# Altium PCB main_io.PcbDoc (part 2 of 3) (continued)
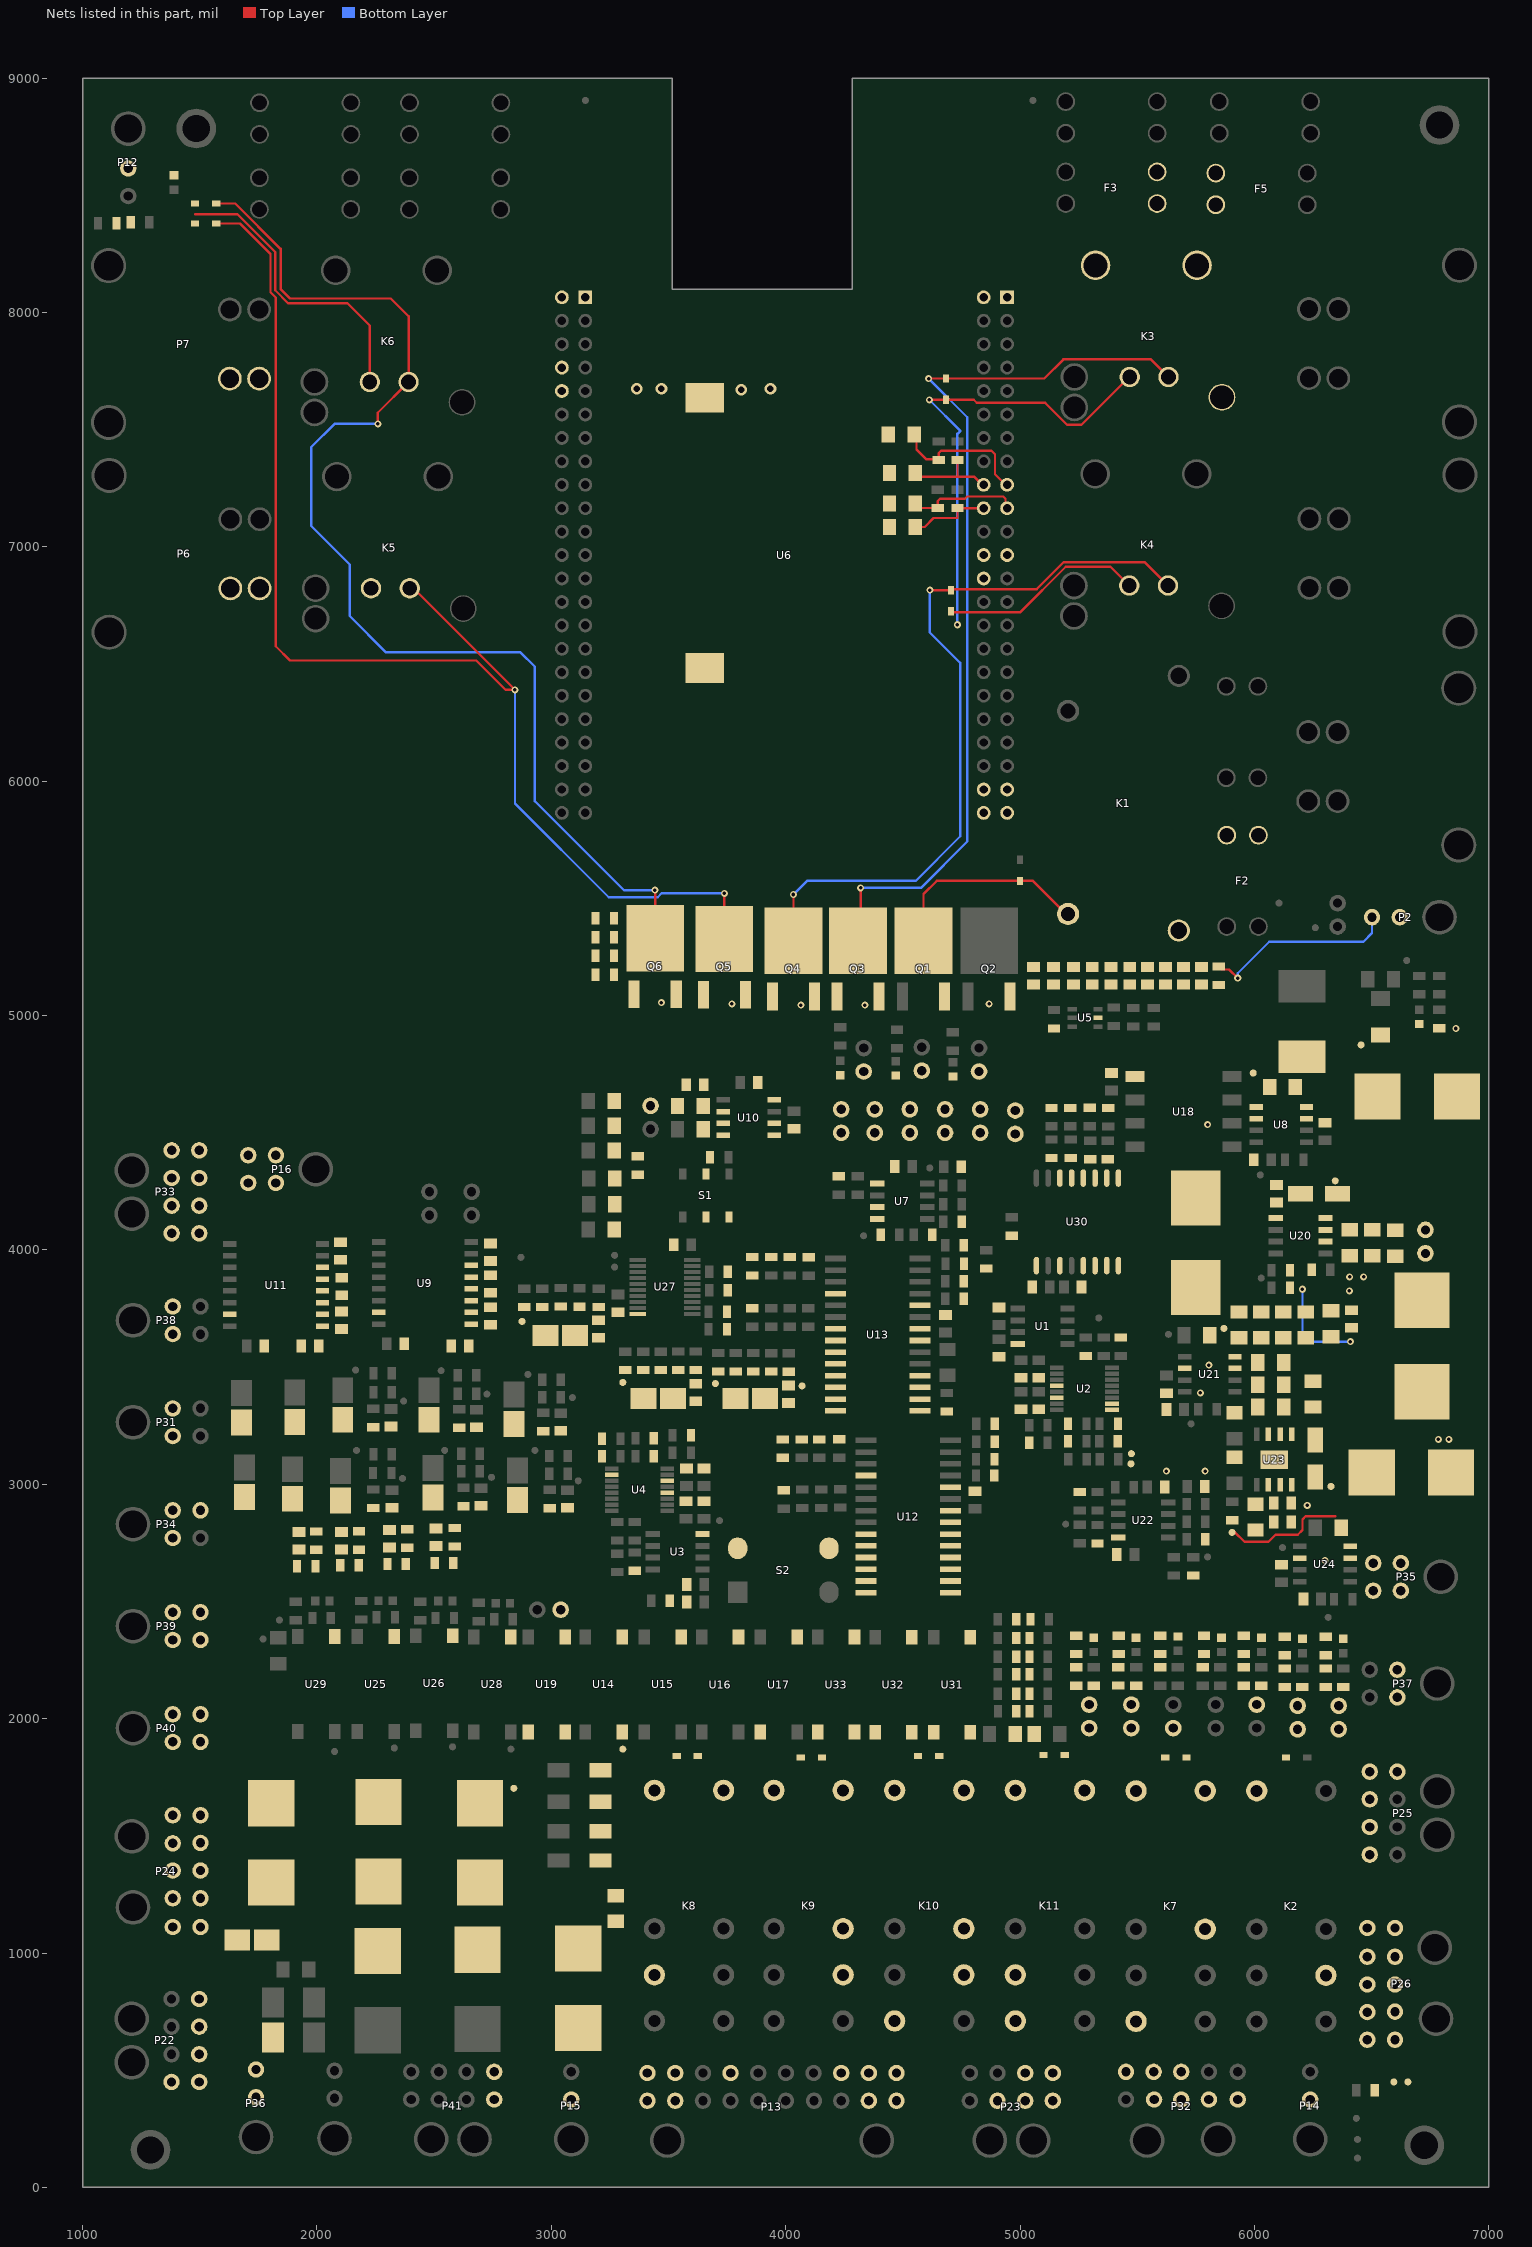
[diagram p4: the nets of this part, all layers, seen from the top]
## Part data (continued)
K2 K7 K8 K9 K10 K11: "RELAY GEN PURPOSE DPDT 8A 24V", Case/Package=DIP, Coil Current=16.7mA, Coil Power=400mW, Coil Resistance=1.44kR, Coil Voltage (DC)=24V, Contact Current Rating=8A, Manufacturer=Omron, Manufacturer Part Number=G2RL-24-DC24, Max Operating Temperature=85°C, Max Voltage Rating (AC)=440V, Max Voltage Rating (DC)=300V, Min Operating Temperature=-40°C, Package Quantity=20, Coil Type=Non-Latching, ComponentLink1Description=http://www.alliedelec.com/images/products/datasheets/bm/OMRON_ELECTRONICS_LLC/70175264.pdf?src-supplier=Allied+Electronics, ComponentLink1URL=http://www.alliedelec.com/images/products/datasheets/bm/OMRON_ELECTRONICS_LLC/70175264.pdf?src-supplier=Allied+Electronics, ComponentLink2Description=http://www.mouser.com/ds/2/307/en-g2rl-472571.pdf?src-supplier=Mouser, ComponentLink2URL=http://www.mouser.com/ds/2/307/en-g2rl-472571.pdf?src-supplier=Mouser, Contact Material=Silver,Cadmium, Depth=12.7mm, Height=15.7mm, Lead Free="Lead Free", Length=29mm, Max Current Rating=8A, Mount="Through Hole", Number of Pins=8, Operate Time=15ms, Packaging=Bulk, Power Consumption=400mW, Power Rating=400mW, Pricing 1="1=4.32, 10=4.053, 25=3.6028, 50=3.4226, 100=3.2425, 250=2.88224, 500=2.7021 (USD)", Radiation Hardening=No, Relay Type="General Purpose", Release Time=5ms, Stock 1=13387, Supplier 1=Digi-Key, Termination="PC Pin", Throw Configuration=DPDT, Voltage Rating (AC)=440V, Voltage Rating (DC)=300V, Weight=12g, Width=12.7mm
K3 K4 K5 K6: "RELAY AUTOMOTIVE SPDT 45A 24V", Coil Current=66.29mA, Coil Power=1.6W, Coil Resistance=362R, Coil Voltage (DC)=24V, Contact Current Rating=45A, Manufacturer="TE Connectivity", Max Operating Temperature=105°C, Min Operating Temperature=-40°C, Package Quantity=525, Supplier Part Number 1=PB1320-ND, Coil Type=Non-Latching, ComponentLink1Description=https://www.verical.com/server-webapp/html/getDatasheet?partID=318318&src-supplier=Verical, ComponentLink1URL=https://www.verical.com/server-webapp/html/getDatasheet?partID=318318&src-supplier=Verical, ComponentLink2Description=https://www.te.com/commerce/DocumentDelivery/DDEController?Action=srchrtrv&DocNm=V23133-X0000-A001&DocType=DS&DocLang=English&src-supplier=Digi-Key, ComponentLink2URL=https://www.te.com/commerce/DocumentDelivery/DDEController?Action=srchrtrv&DocNm=V23133-X0000-A001&DocType=DS&DocLang=English&src-supplier=Digi-Key, Contact Material=Silver, Current Rating=45A, Depth=21.1mm, ELV=Compliant, Height=21.2mm, Lead Free="Lead Free", Length=26.1mm, Manufacturer Part Number=1393277-8, Mount="Through Hole", Number of Contacts=2, Number of Pins=7, Operate Time=5ms, Packaging=Bulk, Pricing 1="1=5.39, 10=5.053, 25=4.4912, 50=4.2666, 100=4.042, 250=3.73328 (USD)", Radiation Hardening=No, Relay Type=Relay, Release Time=3ms, Stock 1=2937, Supplier 1=Digi-Key, Termination=PCB, Throw Configuration=SPDT, Weight=22g, Width=21.1mm
L1: Inductance=100nH, Manufacturer=Sumida, Saturation Current=8.2A, Supplier Part Number 1=308-2523-1-ND, Manufacturer Part Number=0410CDMCCDS-R10MC, Pricing 1="1=0.93000, 10=0.81700, 100=0.58360, 500=0.49024, 1000=0.39687 (USD)", RoHS=No, Stock 1=5994, Supplier 1=Digi-Key
L2: "Fixed Inductors 1uH 20% Low Profile", Case/Package=3232, Current Rating=18.2A, DC Resistance (DCR)=4.63mR, Inductance=1uH, Inductance Tolerance=20%, Manufacturer="Vishay Dale", Max Operating Temperature=125°C, Min Operating Temperature=-55°C, Package Quantity=500, Saturation Current=12A, Self Resonant Frequency=49MHz, Supplier Part Number 1=541-1348-1-ND, Test Frequency=100kHz, ComponentLink1Description=https://datasheet.ciiva.com/6692/ihlp-3232dz-11-6692199.pdf?src-supplier=Digi-Key, ComponentLink1URL=https://datasheet.ciiva.com/6692/ihlp-3232dz-11-6692199.pdf?src-supplier=Digi-Key, ComponentLink2Description=https://datasheet.ciiva.com/6692/ihlp-3232dz-11-6692200.pdf?src-supplier=Digi-Key, ComponentLink2URL=https://datasheet.ciiva.com/6692/ihlp-3232dz-11-6692200.pdf?src-supplier=Digi-Key, ComponentLink3Description=https://datasheet.ciiva.com/6692/ihlp-3232dz-11-6692201.pdf?src-supplier=Digi-Key, ComponentLink3URL=https://datasheet.ciiva.com/6692/ihlp-3232dz-11-6692201.pdf?src-supplier=Digi-Key, ComponentLink4Description=https://datasheet.ciiva.com/17113/70231623-17113262.pdf?src-supplier=Allied+Electronics, ComponentLink4URL=https://datasheet.ciiva.com/17113/70231623-17113262.pdf?src-supplier=Allied+Electronics, Core Material=Metal,Composite,Ferrite, Depth=8.94mm, Height=4mm, Height - Seated (Max)=0.157inch, Lead Free="Lead Free", Length=8.64mm, Manufacturer Part Number=IHLP3232DZER1R0M11, Max DC Current=18.2A, Military Standard=Not, Mount="Surface Mount", Number of Pins=2, Packaging="Tape and Reel", Pricing 1="1=1.61000, 10=1.49500, 100=1.08100 (USD)", Radiation Hardening=No, REACH SVHC=Unknown, RMS Current (Irms)=18.2A, RoHS=Yes, Shielding=Shielded, Stock 1=9463, Supplier 1=Digi-Key, Termination=SMD/SMT, Tolerance=20%, Width=0.322inch
L3: "Inductor Power Shielded Wirewound 33uH 20% 1KHz 28Q-Factor Ferrite 3.5A 57mOhm DCR Automotive T/R", Case/Package=Nonstandard, Current Rating=3.5A, DC Resistance (DCR)=57mR, Inductance=33uH, Inductance Tolerance=20%, Manufacturer=Bourns, Max Operating Temperature=125°C, Min Operating Temperature=-40°C, Package Quantity=400, Ratings=AEC-Q200, Saturation Current=3.3A, Self Resonant Frequency=9.5MHz, Supplier Part Number 1=06X7909, Test Frequency=1kHz, ComponentLink1Description=https://datasheet.ciiva.com/41859/srr1280a-41859670.pdf?src-supplier=Digi-Key, ComponentLink1URL=https://datasheet.ciiva.com/41859/srr1280a-41859670.pdf?src-supplier=Digi-Key, ComponentLink2Description=https://datasheet.ciiva.com/48684/srr1280a-48684991.pdf?src-supplier=Avnet, ComponentLink2URL=https://datasheet.ciiva.com/48684/srr1280a-48684991.pdf?src-supplier=Avnet, Core Material=Ferrite, Depth=12.8mm, Height=7.5mm, Height - Seated (Max)=0.315inch, Length=0.492inch, Manufacturer Part Number=SRR1280A-330M, Max DC Current=3.5A, Military Standard=Not, Mount="Surface Mount", Packaging="Cut Tape", Pricing 1="2400=0.54000, 4000=0.48600, 6000=0.46800, 10000=0.45800 (USD)", REACH SVHC="No SVHC", RMS Current (Irms)=3.5A, RoHS=Yes, Shielding=Shielded, Stock 1=0, Supplier 1=Newark, Tolerance=20%, Width=0.492inch
L4: Case/Package=1260, Current Rating=4.2A, DC Resistance (DCR)=36mR, Frequency=15.5MHz, Inductance=18uH, Inductance Tolerance=20%, Manufacturer=Bourns, Max Operating Temperature=125°C, Min Operating Temperature=-40°C, Package Quantity=600, Resistance=36MR, Saturation Current=3.9A, Test Frequency=100kHz, ComponentLink1Description=https://datasheet.ciiva.com/7849/1430852-7849781.pdf?src-supplier=Element14, ComponentLink1URL=https://datasheet.ciiva.com/7849/1430852-7849781.pdf?src-supplier=Element14, ComponentLink2Description=https://datasheet.ciiva.com/7307/1914016-7307750.pdf?src-supplier=Newark, ComponentLink2URL=https://datasheet.ciiva.com/7307/1914016-7307750.pdf?src-supplier=Newark, ComponentLink3Description=https://datasheet.ciiva.com/6698/srr1260-6698858.pdf?src-supplier=Digi-Key, ComponentLink3URL=https://datasheet.ciiva.com/6698/srr1260-6698858.pdf?src-supplier=Digi-Key, ComponentLink4Description=https://datasheet.ciiva.com/8517/srr1260-8517126.pdf?src-supplier=Avnet, ComponentLink4URL=https://datasheet.ciiva.com/8517/srr1260-8517126.pdf?src-supplier=Avnet, ComponentLink5Description=https://datasheet.ciiva.com/1072/srr1260-1072875.pdf?src-supplier=Digi-Key, ComponentLink5URL=https://datasheet.ciiva.com/1072/srr1260-1072875.pdf?src-supplier=Digi-Key, ComponentLink6Description=https://datasheet.ciiva.com/1072/srr1260-1072876.pdf?src-supplier=Digi-Key, ComponentLink6URL=https://datasheet.ciiva.com/1072/srr1260-1072876.pdf?src-supplier=Digi-Key, ComponentLink7Description=https://datasheet.ciiva.com/17285/srr1260-17285822.pdf?src-supplier=Avnet+Europe, ComponentLink7URL=https://datasheet.ciiva.com/17285/srr1260-17285822.pdf?src-supplier=Avnet+Europe, Composition=Wirewound, Core Material=Ferrite, DC Current=4.2A, Depth=12.8mm, Height=6mm, Height - Seated (Max)=0.256inch, Length=12.5mm, Manufacturer Part Number=SRR1260-180M, Material=Steel, Max DC Current=4.2A, Military Standard=Not, Mount="Surface Mount", Packaging="Tape and Reel", Pricing 1="1=1.25000, 10=1.15900, 100=0.83780 (USD)", Q Factor=28, REACH SVHC="No SVHC", RMS Current (Irms)=4.2A, RoHS=Yes, Self Resonant Frequency=15.5MHz, Shielding=Shielded, Stock 1=6601, Supplier 1=Digi-Key, Termination=SMD/SMT, Tolerance=20%, Width=12.5mm
LED1 LED3 LED4 LED5 LED6 LED7 LED8 LED9 LED10 LED11 LED12 LED13 LED14 LED15 LED16: Color=GREEN, Manufacturer="Lite-On Inc.", Manufacturer P/N=LTST-C190KGKT, Package / Case=0603, Digikey P/N=160-1435-1-ND
LED2: library part "LED RED 0603", "Red 631nm LED Indication - Discrete 2V 0603 (1608 Metric)", Manufacturer="Lite-On Inc.", Manufacturer P/N=LTST-C190KRKT, Package / Case=0603, Color=RED, Digikey P/N=160-1436-1-ND
P1 P8 P9 P10 P11 P17 P18 P19 P20 P21 P27 P28 P29 P30 P43 P44 P45 P46 P47 P48 P49 P50: "Header, 2-Pin", LatestRevisionDate=17-Jul-2002, LatestRevisionNote="Re-released for DXP Platform.", Publisher="Altium Limited"
P2 P12 P14 P15 P36 P42: "CONN HEADER R/A 2POS", Case/Package=SMC, Color=Black, Contact Resistance=10mR, Current Rating=5A, Flammability Rating="UL94 V-0", Insulation Resistance=1GR, Manufacturer=Molex, Max Operating Temperature=105°C, Max Voltage Rating (DC)=250.25kV, Min Operating Temperature=-40°C, Package Quantity=3168, Supplier Part Number 1=WM1813-ND, Voltage Rating=600V, Voltage Rating (DC)=250V, Approvals=UL,CSA,TUV, ComponentLink1Description=https://datasheet.ciiva.com/14155/04402310-14155203.pdf?src-supplier=Distrelec, ComponentLink1URL=https://datasheet.ciiva.com/14155/04402310-14155203.pdf?src-supplier=Distrelec, ComponentLink2Description=https://datasheet.ciiva.com/19454/883270-19454006.pdf?src-supplier=Jameco, ComponentLink2URL=https://datasheet.ciiva.com/19454/883270-19454006.pdf?src-supplier=Jameco, ComponentLink3Description=https://datasheet.ciiva.com/5150/0430450200-pcb-headers-145770-5150407.pdf?src-supplier=Mouser, ComponentLink3URL=https://datasheet.ciiva.com/5150/0430450200-pcb-headers-145770-5150407.pdf?src-supplier=Mouser, ComponentLink4Description=https://datasheet.ciiva.com/11747/0900766b80027348-11747001.pdf?src-supplier=RSComponents, ComponentLink4URL=https://datasheet.ciiva.com/11747/0900766b80027348-11747001.pdf?src-supplier=RSComponents, ComponentLink5Description=https://datasheet.ciiva.com/16656/0430450200-pcb-headers-16656330.pdf?src-supplier=Avnet+Europe, ComponentLink5URL=https://datasheet.ciiva.com/16656/0430450200-pcb-headers-16656330.pdf?src-supplier=Avnet+Europe, ComponentLink6Description=https://datasheet.ciiva.com/10090/0430450200-pcb-headers-10090299.pdf?src-supplier=Avnet, ComponentLink6URL=https://datasheet.ciiva.com/10090/0430450200-pcb-headers-10090299.pdf?src-supplier=Avnet, ComponentLink7Description=https://datasheet.ciiva.com/36854/124280430450200-pcb-headers-36854331.pdf?src-supplier=Onlinecomponents.com, ComponentLink7URL=https://datasheet.ciiva.com/36854/124280430450200-pcb-headers-36854331.pdf?src-supplier=Onlinecomponents.com, ComponentLink8Description=https://datasheet.ciiva.com/1443/1859921-1443437.pdf?src-supplier=Element14, ComponentLink8URL=https://datasheet.ciiva.com/1443/1859921-1443437.pdf?src-supplier=Element14, Contact Gender=Male, Contact Material=Brass,Tin, Contact Plating=Tin, Diameter=3mm, Gender=Male, Glow Wire Compliant=Compliant, Halogen Free="Low Halogen", Housing Color=Black, Housing Material=Thermoplastic, Lead Free="Lead Free", Manufacturer Part Number=43045-0200, Material=Thermoplastic, Mount="Through Hole", Number of Circuits=2, Number of Contacts=2, Number of Positions=2, Number of Rows=2, Orientation="Right Angle", Packaging=Tray, Pitch=3mm, Pricing 1="1=0.97000, 10=0.84900, 100=0.73280, 500=0.59958, 1000=0.53296, 5000=0.46634, 10000=0.44302 (USD)", Radiation Hardening=No, REACH SVHC=Unknown, RoHS=Yes, Row Spacing=3mm, Stock 1=6320, Supplier 1=Digi-Key, Termination="Through Hole"
P3 P4 P5 P6 P7: "Conn Power HDR 2 POS 7.49mm Solder RA Thru-Hole 4 Terminal 1 Port Sabre™ Tray", Color=Black, Contact Resistance=30mR, Current Rating=18A, Manufacturer=Molex, Max Operating Temperature=75°C, Min Operating Temperature=-40°C, Package Quantity=525, Supplier Part Number 1=WM13983-ND, Voltage Rating=600V, ComponentLink1Description=https://www.verical.com/server-webapp/html/getDatasheet?partID=198412&src-supplier=Verical, ComponentLink1URL=https://www.verical.com/server-webapp/html/getDatasheet?partID=198412&src-supplier=Verical, ComponentLink2Description=http://components.arrow.com/part/dataview/2942820S6220968N3303?src-supplier=Arrow, ComponentLink2URL=http://components.arrow.com/part/dataview/2942820S6220968N3303?src-supplier=Arrow, ComponentLink3Description=http://www.molex.com/pdm_docs/ps/PSX-43335-9999.pdf?src-supplier=Digi-Key, ComponentLink3URL=http://www.molex.com/pdm_docs/ps/PSX-43335-9999.pdf?src-supplier=Digi-Key, Contact Material=Brass, Contact Plating=Tin,Copper, Depth=19.79mm, Fastening Type=Ramp, Housing Color=Black, Housing Material=Nylon, Insulation Material=Nylon, Length=21.08mm, Manufacturer Part Number=0431605302, Mount="Through Hole", Number of Contacts=2, Number of Ports=1, Number of Positions=2, Number of Rows=1, Number of Terminals=4, Orientation="Right Angle", Packaging=Tray, Pitch=7.49mm, Stock 1=0, Supplier 1=Digi-Key, Termination=Solder
P13: "HEADER, RIGHT ANGLE, 20WAY", Color=Black, Contact Resistance=10mR, Current Rating=5A, Flammability Rating="UL94 V-0", Insulation Resistance=1GR, Manufacturer=Molex, Max Operating Temperature=105°C, Max Voltage Rating (DC)=250.25kV, Min Operating Temperature=-40°C, Operating Supply Voltage=250V, Package Quantity=648, Supplier Part Number 1=WM4726-ND, Voltage Rating=600V, Approvals=UL,CSA,TUV, ComponentLink1Description=https://datasheet.ciiva.com/5158/0430452000-pcb-headers-143029-5158912.pdf?src-supplier=Mouser, ComponentLink1URL=https://datasheet.ciiva.com/5158/0430452000-pcb-headers-143029-5158912.pdf?src-supplier=Mouser, ComponentLink2Description=https://datasheet.ciiva.com/30232/144790430452000-pcb-headers-30232337.pdf?src-supplier=Onlinecomponents.com, ComponentLink2URL=https://datasheet.ciiva.com/30232/144790430452000-pcb-headers-30232337.pdf?src-supplier=Onlinecomponents.com, ComponentLink3Description=https://datasheet.ciiva.com/11747/0900766b80d6135b-11747452.pdf?src-supplier=RSComponents, ComponentLink3URL=https://datasheet.ciiva.com/11747/0900766b80d6135b-11747452.pdf?src-supplier=RSComponents, ComponentLink4Description=https://datasheet.ciiva.com/19461/800067-19461036.pdf?src-supplier=Jameco, ComponentLink4URL=https://datasheet.ciiva.com/19461/800067-19461036.pdf?src-supplier=Jameco, ComponentLink5Description=https://datasheet.ciiva.com/1443/1786399-1443623.pdf?src-supplier=Element14, ComponentLink5URL=https://datasheet.ciiva.com/1443/1786399-1443623.pdf?src-supplier=Element14, ComponentLink6Description=https://datasheet.ciiva.com/10076/0430452000-pcb-headers-10076859.pdf?src-supplier=Avnet, ComponentLink6URL=https://datasheet.ciiva.com/10076/0430452000-pcb-headers-10076859.pdf?src-supplier=Avnet, ComponentLink7Description=https://datasheet.ciiva.com/14155/04402310-14155212.pdf?src-supplier=Distrelec, ComponentLink7URL=https://datasheet.ciiva.com/14155/04402310-14155212.pdf?src-supplier=Distrelec, Contact Material=Brass,Tin, Contact Plating=Tin, Depth=12.2mm, Gender=Male, Glow Wire Compliant=Compliant, Halogen Free="Low Halogen", Height=8.77mm, Housing Color=Black, Housing Material=Thermoplastic, Lead Free="Lead Free", Lead Pitch=3mm, Length=34.15mm, Manufacturer Part Number=43045-2000, Material=Polyester, Max Current Rating=5A, Mount="Through Hole", Number of Circuits=20, Number of Contacts=20, Number of Poles=20, Number of Positions=20, Number of Rows=2, Orientation="Right Angle", Packaging=Tray, Pitch=3mm, Pricing 1="1=5.17000, 10=4.95900, 100=4.13220, 500=3.51238, 1000=2.99585 (USD)", Radiation Hardening=No, RoHS=Yes, Row Spacing=3mm, Stock 1=1197, Supplier 1=Digi-Key, Termination=Solder, Voltage Rating (AC)=250V, Voltage Rating (DC)=250V, Working Voltage=250V
P16 P31 P34 P35 P37 P38 P39 P40: "Male connector dual row 90° 3 mm Pole no. 2x2 Micro-Fit, 43045-0400, Molex", Color=Black, Contact Resistance=10mR, Flammability Rating="UL94 V-0", Manufacturer=Molex, Max Operating Temperature=105°C, Max Voltage Rating (AC)=250V, Min Operating Temperature=-40°C, Supplier Part Number 1=WM1814-ND, ComponentLink1Description=https://datasheet.ciiva.com/712/430450200-sd-712017.pdf?src-supplier=Digi-Key, ComponentLink1URL=https://datasheet.ciiva.com/712/430450200-sd-712017.pdf?src-supplier=Digi-Key, ComponentLink2Description=https://datasheet.ciiva.com/20209/22-3744e-20209522.pdf?src-supplier=Rapid+Electronics, ComponentLink2URL=https://datasheet.ciiva.com/20209/22-3744e-20209522.pdf?src-supplier=Rapid+Electronics, ComponentLink3Description=https://datasheet.ciiva.com/11746/0900766b80027348-11746988.pdf?src-supplier=RSComponents, ComponentLink3URL=https://datasheet.ciiva.com/11746/0900766b80027348-11746988.pdf?src-supplier=RSComponents, ComponentLink4Description=https://datasheet.ciiva.com/30193/145420430450400-pcb-headers-30193310.pdf?src-supplier=Onlinecomponents.com, ComponentLink4URL=https://datasheet.ciiva.com/30193/145420430450400-pcb-headers-30193310.pdf?src-supplier=Onlinecomponents.com, Connector Type="Male Pin", Contact Material=Brass, Contact Plating=Tin, Depth=12.2mm, Fastening Type=Ramp, Housing Color=Black, Housing Material=Polymer, Length=10.15mm, Manufacturer Part Number=43045-0400, Mount="Through Hole", Number of Contacts=4, Number of Positions=4, Number of Rows=2, Orientation="Right Angle", Packaging=Tray, Pitch=3mm, Pricing 1="1=1.33000, 10=1.16700, 100=1.00670, 500=0.82368, 1000=0.73216, 5000=0.64064, 10000=0.60861 (USD)", RoHS=Yes, Row Spacing=0.118inch, Stock 1=5904, Supplier 1=Digi-Key, Termination=Solder
P22 P23 P25 P33 P41: "CONN HEADER R/A 8POS 3MM", Case/Package=SMC, Color=Black, Contact Resistance=10mR, Current Rating=5A, Flammability Rating="UL94 V-0", Insulation Resistance=1GR, Manufacturer=Molex, Max Operating Temperature=105°C, Max Voltage Rating (DC)=250.25kV, Min Operating Temperature=-40°C, Package Quantity=1440, Supplier Part Number 1=WM1816-ND, Voltage Rating=600V, Voltage Rating (AC)=250V, Approvals=UL,CSA,TUV, ComponentLink1Description=https://datasheet.ciiva.com/5158/0430450800-pcb-headers-142625-5158817.pdf?src-supplier=Mouser, ComponentLink1URL=https://datasheet.ciiva.com/5158/0430450800-pcb-headers-142625-5158817.pdf?src-supplier=Mouser, ComponentLink2Description=https://datasheet.ciiva.com/7683/27645-7683683.pdf?src-supplier=Element14, ComponentLink2URL=https://datasheet.ciiva.com/7683/27645-7683683.pdf?src-supplier=Element14, ComponentLink3Description=https://datasheet.ciiva.com/19462/883536-19462164.pdf?src-supplier=Jameco, ComponentLink3URL=https://datasheet.ciiva.com/19462/883536-19462164.pdf?src-supplier=Jameco, ComponentLink4Description=https://datasheet.ciiva.com/11751/0900766b80027348-11751142.pdf?src-supplier=RSComponents, ComponentLink4URL=https://datasheet.ciiva.com/11751/0900766b80027348-11751142.pdf?src-supplier=RSComponents, ComponentLink5Description=https://datasheet.ciiva.com/30198/267770430450800-pcb-headers-30198875.pdf?src-supplier=Onlinecomponents.com, ComponentLink5URL=https://datasheet.ciiva.com/30198/267770430450800-pcb-headers-30198875.pdf?src-supplier=Onlinecomponents.com, ComponentLink6Description=https://datasheet.ciiva.com/1443/1850016-1443537.pdf?src-supplier=Element14, ComponentLink6URL=https://datasheet.ciiva.com/1443/1850016-1443537.pdf?src-supplier=Element14, ComponentLink7Description=https://datasheet.ciiva.com/14155/04402310-14155206.pdf?src-supplier=Distrelec, ComponentLink7URL=https://datasheet.ciiva.com/14155/04402310-14155206.pdf?src-supplier=Distrelec, ComponentLink8Description=https://datasheet.ciiva.com/16657/0430450800-pcb-headers-16657964.pdf?src-supplier=Avnet+Europe, ComponentLink8URL=https://datasheet.ciiva.com/16657/0430450800-pcb-headers-16657964.pdf?src-supplier=Avnet+Europe, ComponentLink9Description=https://datasheet.ciiva.com/10087/0430450800-pcb-headers-10087853.pdf?src-supplier=Avnet, ComponentLink9URL=https://datasheet.ciiva.com/10087/0430450800-pcb-headers-10087853.pdf?src-supplier=Avnet, Contact Material=Brass,Tin, Contact Plating=Tin, Depth=12.2mm, Diameter=3mm, Gender=Male, Glow Wire Compliant=Compliant, Halogen Free="Low Halogen", Height=8.77mm, Housing Color=Black, Housing Material=Thermoplastic, Lead Free="Lead Free", Length=16.15mm, Manufacturer Part Number=43045-0800, Material=Polyester, Max Current Rating=5A, Mount="Through Hole", Number of Circuits=8, Number of Contacts=8, Number of Poles=8, Number of Positions=8, Number of Rows=2, Orientation="Right Angle", Packaging=Tray, Pitch=3mm, Pricing 1="1=1.91000, 10=1.73100, 100=1.48390, 500=1.23656, 1000=1.05990, 5000=0.93978, 10000=0.91858 (USD)", Radiation Hardening=No, REACH SVHC=Unknown, RoHS=Yes, Row Spacing=3mm, Stock 1=2632, Supplier 1=Digi-Key, Termination=Solder, Voltage Rating (DC)=250V, Working Voltage=250V
P24 P26 P32: "GLOVE, POLYAMIDE, L/FREE, PU, SIZE 6 - More Details", Color=Black, Contact Resistance=10mR, Current Rating=5A, Flammability Rating="UL94 V-0", Insulation Resistance=1GR, Manufacturer=Molex, Max Operating Temperature=105°C, Max Voltage Rating (DC)=250.25kV, Min Operating Temperature=-40°C, Package Quantity=1224, Supplier Part Number 1=WM1817-ND, Voltage Rating=250V, Approvals=UL,CSA,TUV, ComponentLink1Description=https://datasheet.ciiva.com/5150/0430451000-pcb-headers-143006-5150145.pdf?src-supplier=Mouser, ComponentLink1URL=https://datasheet.ciiva.com/5150/0430451000-pcb-headers-143006-5150145.pdf?src-supplier=Mouser, ComponentLink2Description=https://datasheet.ciiva.com/11749/0900766b80027348-11749233.pdf?src-supplier=RSComponents, ComponentLink2URL=https://datasheet.ciiva.com/11749/0900766b80027348-11749233.pdf?src-supplier=RSComponents, ComponentLink3Description=https://datasheet.ciiva.com/19461/883595-19461109.pdf?src-supplier=Jameco, ComponentLink3URL=https://datasheet.ciiva.com/19461/883595-19461109.pdf?src-supplier=Jameco, ComponentLink4Description=https://datasheet.ciiva.com/30068/153980430451000-pcb-headers-30068060.pdf?src-supplier=Onlinecomponents.com, ComponentLink4URL=https://datasheet.ciiva.com/30068/153980430451000-pcb-headers-30068060.pdf?src-supplier=Onlinecomponents.com, ComponentLink5Description=https://datasheet.ciiva.com/14155/04402310-14155207.pdf?src-supplier=Distrelec, ComponentLink5URL=https://datasheet.ciiva.com/14155/04402310-14155207.pdf?src-supplier=Distrelec, ComponentLink6Description=https://datasheet.ciiva.com/18454/70090797-18454139.pdf?src-supplier=Allied+Electronics, ComponentLink6URL=https://datasheet.ciiva.com/18454/70090797-18454139.pdf?src-supplier=Allied+Electronics, ComponentLink7Description=https://datasheet.ciiva.com/16658/0430451000-pcb-headers-16658413.pdf?src-supplier=Avnet+Europe, ComponentLink7URL=https://datasheet.ciiva.com/16658/0430451000-pcb-headers-16658413.pdf?src-supplier=Avnet+Europe, ComponentLink8Description=https://datasheet.ciiva.com/9468/0430451000-pcb-headers-9468495.pdf?src-supplier=Avnet, ComponentLink8URL=https://datasheet.ciiva.com/9468/0430451000-pcb-headers-9468495.pdf?src-supplier=Avnet, Connector Type=Power,Rectangular, Contact Material=Brass,Tin, Contact Plating=Tin, Depth=12.2mm, Diameter=3mm, Gender=Male, Glow Wire Compliant=Compliant, Halogen Free="Low Halogen", Height=8.77mm, Housing Color=Black, Housing Material=Thermoplastic, Lead Free="Lead Free", Length=19.15mm, Manufacturer Part Number=43045-1000, Material=Polyester, Max Current Rating=5A, Mount="Through Hole,PCB", Number of Circuits=10, Number of Contacts=10, Number of Poles=10, Number of Positions=10, Number of Rows=2, Orientation="Right Angle", Packaging=Tray, Pitch=3mm, Pricing 1="1=2.57000, 10=2.33100, 100=1.99790, 500=1.66496, 1000=1.42710, 5000=1.26536 (USD)", Radiation Hardening=No, REACH SVHC=Unknown, RoHS=Yes, Row Spacing=3mm, Stock 1=4799, Supplier 1=Digi-Key, Termination=Solder, Voltage Rating (AC)=250V, Voltage Rating (DC)=250V, Working Voltage=250V
Q1 Q2 Q3 Q4 Q5 Q6: "N-Channel Power MOSFET, 12 A, 60 V", Manufacturer="ON SEMI", Manufacturer P/N=NTD3055L104T4G, Digikey Link=https://www.digikey.com/product-detail/en/on-semiconductor/NTD3055L104T4G/NTD3055L104T4GOSDKR-ND/1749196, Digikey P/N=NTD3055L104T4GOSDKR-ND
R1 R2 R3 R4 R5 R10 R11 R12 R13 R14 R15 R16 R21 R22 R31 R32 R33 R34 R43 R44 R63 R64 R68 R69 R70 R71 R72 R77 R78 R79 R80 R81 R82 R83 R84 R89 R90 R91 R92 R141 R146 R148 R149 R160 R161 R180 R181: library part ERJ-P06J103V, "RES SMD 10K OHM 5% 1/2W 0805", Digi-Key Part Number=P10KADCT-ND, Manufacturer="Panasonic Electronic Components", Operating Temperature="-55°C ~ 155°C", Package / Case="0805 (2012 Metric)", Power (Watts)="0.5W, 1/2W", Supplier Device Package=0805, Temperature Coefficient=±200ppm/°C, Tolerance=±5%, @ qty=1500, Composition="Thick Film", Datasheets=https://industrial.panasonic.com/cdbs/www-data/pdf/RDA0000/AOA0000C243.pdf, Factory Stock=0, Failure Rate=-, Features="Automotive AEC-Q200, Pulse Withstanding", Height - Seated (Max)="0.028\" (0.70mm)", Image=//media.digikey.com/Renders/Panasonic%20Renders/ERJ-0805%20Pkg.jpg, Minimum Quantity=1, Number of Terminations=2, Packaging="Cut Tape (CT)", Part Number=ERJ-P06J103V, Part Status=Active, Quantity Available=413576, Series=ERJ, Size / Dimension="0.079\" L x 0.049\" W (2.00mm x 1.25mm)", Unit Price (USD)=0.01839
  R1 R2 R3 R4 R11 R12 R13 R14 R15 R16 R70 R71 R77 R80 R82 R83 R84 R89: DNP=DNP
R6 R7 R8 R9 R17 R18 R19 R20 R73 R74 R75 R76 R85 R86 R87 R88 R108 R109 R113 R120 R121 R124 R127 R128 R129 R130 R131 R132 R133 R168 R169 R171 R172 R179 R182 R183 R184: library part ERJ-6GEY0R00V, "RES SMD 0.0 OHM JUMPER 1/8W 0805", Digi-Key Part Number=P0.0ACT-ND, Manufacturer="Panasonic Electronic Components", Operating Temperature="-55°C ~ 155°C", Package / Case="0805 (2012 Metric)", Power (Watts)="0.125W, 1/8W", Supplier Device Package=0805, Temperature Coefficient=-, Tolerance=Jumper, @ qty=1500, Composition="Thick Film", Datasheets=http://industrial.panasonic.com/www-cgi/jvcr13pz.cgi?E+PZ+3+AOA0001+ERJ6GEY0R00V+7+WW, Factory Stock=0, Failure Rate=-, Features="Automotive AEC-Q200", Height - Seated (Max)="0.028\" (0.70mm)", Image=//media.digikey.com/Renders/Panasonic%20Renders/ERJ-0805%20Pkg.jpg, Minimum Quantity=1, Number of Terminations=2, Packaging="Cut Tape (CT)", Part Number=ERJ-6GEY0R00V, Part Status=Active, Quantity Available=1597627, Series=ERJ, Size / Dimension="0.079\" L x 0.049\" W (2.00mm x 1.25mm)", Unit Price (USD)=0.00544
  R8 R9 R19 R20 R73 R74 R85 R86 R109 R121 R127 R129 R130 R168 R169 R179 R182: DNP=DNP
R23 R47 R54 R56 R140 R152: library part ERJ-P06J102V, "RES SMD 1K OHM 5% 1/2W 0805", Digi-Key Part Number=P1.0KADCT-ND, Manufacturer="Panasonic Electronic Components", Operating Temperature="-55°C ~ 155°C", Package / Case="0805 (2012 Metric)", Power (Watts)="0.5W, 1/2W", Supplier Device Package=0805, Temperature Coefficient=±200ppm/°C, Tolerance=±5%, @ qty=1500, Composition="Thick Film", Datasheets=https://industrial.panasonic.com/cdbs/www-data/pdf/RDA0000/AOA0000C243.pdf, Factory Stock=0, Failure Rate=-, Features="Automotive AEC-Q200, Pulse Withstanding", Height - Seated (Max)="0.028\" (0.70mm)", Image=//media.digikey.com/Renders/Panasonic%20Renders/ERJ-0805%20Pkg.jpg, Minimum Quantity=1, Number of Terminations=2, Packaging="Cut Tape (CT)", Part Number=ERJ-P06J102V, Part Status=Active, Quantity Available=124757, Series=ERJ, Size / Dimension="0.079\" L x 0.049\" W (2.00mm x 1.25mm)", Unit Price (USD)=0.01839
R24 R28: library part ERJ-6ENF5103V, "RES SMD 510K OHM 1% 1/8W 0805", Digi-Key Part Number=P510KCCT-ND, Manufacturer="Panasonic Electronic Components", Operating Temperature="-55°C ~ 155°C", Package / Case="0805 (2012 Metric)", Power (Watts)="0.125W, 1/8W", Supplier Device Package=0805, Temperature Coefficient=±100ppm/°C, Tolerance=±1%, @ qty=1500, Composition="Thick Film", Datasheets=http://industrial.panasonic.com/www-cgi/jvcr13pz.cgi?E+PZ+3+AOA0002+ERJ6ENF5103V+7+WW, Factory Stock=0, Failure Rate=-, Features="Automotive AEC-Q200", Height - Seated (Max)="0.028\" (0.70mm)", Image=//media.digikey.com/Renders/Panasonic%20Renders/ERJ-0805%20Pkg.jpg, Minimum Quantity=1, Number of Terminations=2, Packaging="Cut Tape (CT)", Part Number=ERJ-6ENF5103V, Part Status=Active, Quantity Available=23343, Series=ERJ, Size / Dimension="0.079\" L x 0.049\" W (2.00mm x 1.25mm)", Unit Price (USD)=0.00729
R25: library part ERJ-6ENF2553V, "RES SMD 255K OHM 1% 1/8W 0805", Digi-Key Part Number=P255KCCT-ND, Manufacturer="Panasonic Electronic Components", Operating Temperature="-55°C ~ 155°C", Package / Case="0805 (2012 Metric)", Power (Watts)="0.125W, 1/8W", Supplier Device Package=0805, Temperature Coefficient=±100ppm/°C, Tolerance=±1%, @ qty=1500, Composition="Thick Film", Datasheets=http://industrial.panasonic.com/www-cgi/jvcr13pz.cgi?E+PZ+3+AOA0002+ERJ6ENF2553V+7+WW, Factory Stock=0, Failure Rate=-, Features="Automotive AEC-Q200", Height - Seated (Max)="0.028\" (0.70mm)", Image=//media.digikey.com/Renders/Panasonic%20Renders/ERJ-0805%20Pkg.jpg, Minimum Quantity=1, Number of Terminations=2, Packaging="Cut Tape (CT)", Part Number=ERJ-6ENF2553V, Part Status=Active, Quantity Available=49587, Series=ERJ, Size / Dimension="0.079\" L x 0.049\" W (2.00mm x 1.25mm)", Unit Price (USD)=0.00729
R26: library part ERJ-6ENF5101V, "RES SMD 5.1K OHM 1% 1/8W 0805", Digi-Key Part Number=P5.10KCCT-ND, Manufacturer="Panasonic Electronic Components", Operating Temperature="-55°C ~ 155°C", Package / Case="0805 (2012 Metric)", Power (Watts)="0.125W, 1/8W", Supplier Device Package=0805, Temperature Coefficient=±100ppm/°C, Tolerance=±1%, @ qty=1500, Composition="Thick Film", Datasheets=http://industrial.panasonic.com/www-cgi/jvcr13pz.cgi?E+PZ+3+AOA0002+ERJ6ENF5101V+7+WW, Factory Stock=0, Failure Rate=-, Features="Automotive AEC-Q200", Height - Seated (Max)="0.028\" (0.70mm)", Image=//media.digikey.com/Renders/Panasonic%20Renders/ERJ-0805%20Pkg.jpg, Minimum Quantity=1, Number of Terminations=2, Packaging="Cut Tape (CT)", Part Number=ERJ-6ENF5101V, Part Status=Active, Quantity Available=74332, Series=ERJ, Size / Dimension="0.079\" L x 0.049\" W (2.00mm x 1.25mm)", Unit Price (USD)=0.00729
R27: library part ERJ-6ENF34R0V, "RES SMD 34 OHM 1% 1/8W 0805", Digi-Key Part Number=P34.0CCT-ND, Manufacturer="Panasonic Electronic Components", Operating Temperature="-55°C ~ 155°C", Package / Case="0805 (2012 Metric)", Power (Watts)="0.125W, 1/8W", Supplier Device Package=0805, Temperature Coefficient=±100ppm/°C, Tolerance=±1%, @ qty=1500, Composition="Thick Film", Datasheets=http://industrial.panasonic.com/www-cgi/jvcr13pz.cgi?E+PZ+3+AOA0002+ERJ6ENF34R0V+7+WW, Factory Stock=0, Failure Rate=-, Features="Automotive AEC-Q200", Height - Seated (Max)="0.028\" (0.70mm)", Image=//media.digikey.com/Renders/Panasonic%20Renders/ERJ-0805%20Pkg.jpg, Minimum Quantity=1, Number of Terminations=2, Packaging="Cut Tape (CT)", Part Number=ERJ-6ENF34R0V, Part Status=Active, Quantity Available=49762, Series=ERJ, Size / Dimension="0.079\" L x 0.049\" W (2.00mm x 1.25mm)", Unit Price (USD)=0.00729
R29: library part ERJ-6ENF68R0V, "RES SMD 68 OHM 1% 1/8W 0805", Digi-Key Part Number=P68.0CCT-ND, Manufacturer="Panasonic Electronic Components", Operating Temperature="-55°C ~ 155°C", Package / Case="0805 (2012 Metric)", Power (Watts)="0.125W, 1/8W", Supplier Device Package=0805, Temperature Coefficient=±100ppm/°C, Tolerance=±1%, @ qty=1500, Composition="Thick Film", Datasheets=http://industrial.panasonic.com/www-cgi/jvcr13pz.cgi?E+PZ+3+AOA0002+ERJ6ENF68R0V+7+WW, Factory Stock=0, Failure Rate=-, Features="Automotive AEC-Q200", Height - Seated (Max)="0.028\" (0.70mm)", Image=//media.digikey.com/Renders/Panasonic%20Renders/ERJ-0805%20Pkg.jpg, Minimum Quantity=1, Number of Terminations=2, Packaging="Cut Tape (CT)", Part Number=ERJ-6ENF68R0V, Part Status=Active, Quantity Available=47206, Series=ERJ, Size / Dimension="0.079\" L x 0.049\" W (2.00mm x 1.25mm)", Unit Price (USD)=0.00729
R30: library part ERJ-6ENF2004V, "RES SMD 2M OHM 1% 1/8W 0805", Digi-Key Part Number=P2.00MCCT-ND, Manufacturer="Panasonic Electronic Components", Operating Temperature="-55°C ~ 155°C", Package / Case="0805 (2012 Metric)", Power (Watts)="0.125W, 1/8W", Supplier Device Package=0805, Temperature Coefficient=±100ppm/°C, Tolerance=±1%, @ qty=1500, Composition="Thick Film", Datasheets=http://industrial.panasonic.com/www-cgi/jvcr13pz.cgi?E+PZ+3+AOA0002+ERJ6ENF2004V+7+WW, Factory Stock=0, Failure Rate=-, Features="Automotive AEC-Q200", Height - Seated (Max)="0.028\" (0.70mm)", Image=//media.digikey.com/Renders/Panasonic%20Renders/ERJ-0805%20Pkg.jpg, Minimum Quantity=1, Number of Terminations=2, Packaging="Cut Tape (CT)", Part Number=ERJ-6ENF2004V, Part Status=Active, Quantity Available=31894, Series=ERJ, Size / Dimension="0.079\" L x 0.049\" W (2.00mm x 1.25mm)", Unit Price (USD)=0.00729
R35 R36 R37 R38 R163 R166 R173 R176: library part ERJ-6GEYJ103V, "RES SMD 10K OHM 5% 1/8W 0805", Digi-Key Part Number=P10KACT-ND, Manufacturer="Panasonic Electronic Components", Operating Temperature="-55°C ~ 155°C", Package / Case="0805 (2012 Metric)", Power (Watts)="0.125W, 1/8W", Supplier Device Package=0805, Temperature Coefficient=±200ppm/°C, Tolerance=±5%, @ qty=1500, Composition="Thick Film", Datasheets=http://industrial.panasonic.com/www-cgi/jvcr13pz.cgi?E+PZ+3+AOA0001+ERJ6GEYJ103V+7+WW, Factory Stock=0, Failure Rate=-, Features="Automotive AEC-Q200", Height - Seated (Max)="0.028\" (0.70mm)", Image=//media.digikey.com/Renders/Panasonic%20Renders/ERJ-0805%20Pkg.jpg, Minimum Quantity=1, Number of Terminations=2, Packaging="Cut Tape (CT)", Part Number=ERJ-6GEYJ103V, Part Status=Active, Quantity Available=2328224, Series=ERJ, Size / Dimension="0.079\" L x 0.049\" W (2.00mm x 1.25mm)", Unit Price (USD)=0.00496
R39 R40 R41 R42 R46 R49 R50 R51 R52 R53 R136 R137 R178: library part ERJ-8GEY0R00V, "RES SMD 0.0 OHM JUMPER 1/4W 1206", Digi-Key Part Number=P0.0ECT-ND, Manufacturer="Panasonic Electronic Components", Operating Temperature="-55°C ~ 155°C", Package / Case="1206 (3216 Metric)", Power (Watts)="0.25W, 1/4W", Supplier Device Package=1206, Temperature Coefficient=-, Tolerance=Jumper, @ qty=1500, Composition="Thick Film", Datasheets=http://industrial.panasonic.com/www-cgi/jvcr13pz.cgi?E+PZ+3+AOA0001+ERJ8GEY0R00V+7+WW, Factory Stock=0, Failure Rate=-, Features="Automotive AEC-Q200", Height - Seated (Max)="0.028\" (0.70mm)", Image=//media.digikey.com/Renders/Panasonic%20Renders/ERJ-1206%20Pkg.jpg, Minimum Quantity=1, Number of Terminations=2, Packaging="Cut Tape (CT)", Part Number=ERJ-8GEY0R00V, Part Status=Active, Quantity Available=1074190, Series=ERJ, Size / Dimension="0.126\" L x 0.063\" W (3.20mm x 1.60mm)", Unit Price (USD)=0.00768
  R46 R49 R50 R51 R52 R53: DNP=DNP
R45 R93 R98 R99 R102 R138 R162 R165 R170 R175 R193 R207 R208: library part ERJ-6ENF1800V, "RES SMD 180 OHM 1% 1/8W 0805", Digi-Key Part Number=P180CCT-ND, Manufacturer="Panasonic Electronic Components", Operating Temperature="-55°C ~ 155°C", Package / Case="0805 (2012 Metric)", Power (Watts)="0.125W, 1/8W", Supplier Device Package=0805, Temperature Coefficient=±100ppm/°C, Tolerance=±1%, @ qty=1500, Composition="Thick Film", Datasheets=http://industrial.panasonic.com/www-cgi/jvcr13pz.cgi?E+PZ+3+AOA0002+ERJ6ENF1800V+7+WW, Factory Stock=0, Failure Rate=-, Features="Automotive AEC-Q200", Height - Seated (Max)="0.028\" (0.70mm)", Image=//media.digikey.com/Renders/Panasonic%20Renders/ERJ-0805%20Pkg.jpg, Minimum Quantity=1, Number of Terminations=2, Packaging="Cut Tape (CT)", Part Number=ERJ-6ENF1800V, Part Status=Active, Quantity Available=33231, Series=ERJ, Size / Dimension="0.079\" L x 0.049\" W (2.00mm x 1.25mm)", Unit Price (USD)=0.00729
R48 R55: library part ERJ-P6WF1200V, "RES SMD 120 OHM 1% 1/2W 0805", Digi-Key Part Number=P16874CT-ND, Manufacturer="Panasonic Electronic Components", Operating Temperature="-55°C ~ 155°C", Package / Case="0805 (2012 Metric)", Power (Watts)="0.5W, 1/2W", Supplier Device Package=0805, Temperature Coefficient=±200ppm/°C, Tolerance=±1%, @ qty=1500, Composition="Thick Film", Datasheets=https://industrial.panasonic.com/cdbs/www-data/pdf/RDA0000/AOA0000C243.pdf, Factory Stock=0, Failure Rate=-, Features="Automotive AEC-Q200, Pulse Withstanding", Height - Seated (Max)="0.030\" (0.75mm)", Image=//media.digikey.com/Renders/Panasonic%20Renders/ERJ-0805%20Pkg.jpg, Minimum Quantity=1, Number of Terminations=2, Packaging="Cut Tape (CT)", Part Number=ERJ-P6WF1200V, Part Status=Active, Quantity Available=9381, Series=ERJ, Size / Dimension="0.079\" L x 0.049\" W (2.00mm x 1.25mm)", Unit Price (USD)=0.10507
R57: library part ERJ-8BSFR18V, "RES SMD 0.18 OHM 1% 1/2W 1206", Digi-Key Part Number=P17683CT-ND, Manufacturer="Panasonic Electronic Components", Operating Temperature="-55°C ~ 125°C", Package / Case="1206 (3216 Metric)", Power (Watts)="0.5W, 1/2W", Supplier Device Package=1206, Temperature Coefficient=±250ppm/°C, Tolerance=±1%, @ qty=1500, Composition="Thick Film", Datasheets=https://industrial.panasonic.com/cdbs/www-data/pdf/RDA0000/AOA0000C239.pdf, Factory Stock=0, Failure Rate=-, Features="Automotive AEC-Q200, Current Sense", Height - Seated (Max)="0.028\" (0.70mm)", Image=//media.digikey.com/Renders/Panasonic%20Renders/ERJ-1206%20Pkg.jpg, Minimum Quantity=1, Number of Terminations=2, Packaging="Cut Tape (CT)", Part Number=ERJ-8BSFR18V, Part Status=Active, Quantity Available=1772, Series=ERJ, Size / Dimension="0.126\" L x 0.063\" W (3.20mm x 1.60mm)", Unit Price (USD)=0.11739
R58: library part ERJ-MP2MF2M0U, "RES SMD 0.002 OHM 1% 1W 1206", Digi-Key Part Number=P19341CT-ND, Manufacturer="Panasonic Electronic Components", Operating Temperature="-65°C ~ 170°C", Package / Case="1206 (3216 Metric)", Power (Watts)=1W, Supplier Device Package=1206, Temperature Coefficient=±75ppm/°C, Tolerance=±1%, @ qty=1500, Composition="Metal Element", Datasheets=https://industrial.panasonic.com/cdbs/www-data/pdf/RDA0000/AOA0000C263.pdf, Factory Stock=0, Failure Rate=-, Features="Automotive AEC-Q200, Current Sense, Moisture Resistant", Height - Seated (Max)="0.035\" (0.89mm)", Image=//media.digikey.com/Photos/Panasonic%20Elect%20Works%20Photos/MFG_ERJ-MS4.jpg, Minimum Quantity=1, Number of Terminations=2, Packaging="Cut Tape (CT)", Part Number=ERJ-MP2MF2M0U, Part Status=Active, Quantity Available=2730, Series=ERJ, Size / Dimension="0.125\" L x 0.063\" W (3.18mm x 1.60mm)", Unit Price (USD)=0.16926
R59 R62 R110 R111 R112 R114 R119 R122 R123 R125 R134 R144 R156: library part ERJ-6ENF3002V, "RES SMD 30K OHM 1% 1/8W 0805", Digi-Key Part Number=P30.0KCCT-ND, Manufacturer="Panasonic Electronic Components", Operating Temperature="-55°C ~ 155°C", Package / Case="0805 (2012 Metric)", Power (Watts)="0.125W, 1/8W", Supplier Device Package=0805, Temperature Coefficient=±100ppm/°C, Tolerance=±1%, @ qty=1500, Composition="Thick Film", Datasheets=http://industrial.panasonic.com/www-cgi/jvcr13pz.cgi?E+PZ+3+AOA0002+ERJ6ENF3002V+7+WW, Factory Stock=0, Failure Rate=-, Features="Automotive AEC-Q200", Height - Seated (Max)="0.028\" (0.70mm)", Image=//media.digikey.com/Renders/Panasonic%20Renders/ERJ-0805%20Pkg.jpg, Minimum Quantity=1, Number of Terminations=2, Packaging="Cut Tape (CT)", Part Number=ERJ-6ENF3002V, Part Status=Active, Quantity Available=88046, Series=ERJ, Size / Dimension="0.079\" L x 0.049\" W (2.00mm x 1.25mm)", Unit Price (USD)=0.00729
R60 R145 R157: library part ERJ-P06J622V, "RES SMD 6.2K OHM 5% 1/2W 0805", Digi-Key Part Number=P6.2KADCT-ND, Manufacturer="Panasonic Electronic Components", Operating Temperature="-55°C ~ 155°C", Package / Case="0805 (2012 Metric)", Power (Watts)="0.5W, 1/2W", Supplier Device Package=0805, Temperature Coefficient=±200ppm/°C, Tolerance=±5%, @ qty=1500, Composition="Thick Film", Datasheets=https://industrial.panasonic.com/cdbs/www-data/pdf/RDA0000/AOA0000C243.pdf, Factory Stock=0, Failure Rate=-, Features="Automotive AEC-Q200, Pulse Withstanding", Height - Seated (Max)="0.028\" (0.70mm)", Image=//media.digikey.com/Renders/Panasonic%20Renders/ERJ-0805%20Pkg.jpg, Minimum Quantity=1, Number of Terminations=2, Packaging="Cut Tape (CT)", Part Number=ERJ-P06J622V, Part Status=Active, Quantity Available=14652, Series=ERJ, Size / Dimension="0.079\" L x 0.049\" W (2.00mm x 1.25mm)", Unit Price (USD)=0.01839
R61 R158: library part ERJ-P06J104V, "RES SMD 100K OHM 5% 1/2W 0805", Digi-Key Part Number=P100KADCT-ND, Manufacturer="Panasonic Electronic Components", Operating Temperature="-55°C ~ 155°C", Package / Case="0805 (2012 Metric)", Power (Watts)="0.5W, 1/2W", Supplier Device Package=0805, Temperature Coefficient=±200ppm/°C, Tolerance=±5%, @ qty=1500, Composition="Thick Film", Datasheets=https://industrial.panasonic.com/cdbs/www-data/pdf/RDA0000/AOA0000C243.pdf, Factory Stock=0, Failure Rate=-, Features="Automotive AEC-Q200, Pulse Withstanding", Height - Seated (Max)="0.028\" (0.70mm)", Image=//media.digikey.com/Renders/Panasonic%20Renders/ERJ-0805%20Pkg.jpg, Minimum Quantity=1, Number of Terminations=2, Packaging="Cut Tape (CT)", Part Number=ERJ-P06J104V, Part Status=Active, Quantity Available=82264, Series=ERJ, Size / Dimension="0.079\" L x 0.049\" W (2.00mm x 1.25mm)", Unit Price (USD)=0.01839
R65 R66: library part ERJ-8ENF60R4V, "RES SMD 60.4 OHM 1% 1/4W 1206", Digi-Key Part Number=P60.4FCT-ND, Manufacturer="Panasonic Electronic Components", Operating Temperature="-55°C ~ 155°C", Package / Case="1206 (3216 Metric)", Power (Watts)="0.25W, 1/4W", Supplier Device Package=1206, Temperature Coefficient=±100ppm/°C, Tolerance=±1%, @ qty=1500, Composition="Thick Film", Datasheets=http://industrial.panasonic.com/www-cgi/jvcr13pz.cgi?E+PZ+3+AOA0002+ERJ8ENF60R4V+7+WW, Factory Stock=0, Failure Rate=-, Features="Automotive AEC-Q200", Height - Seated (Max)="0.028\" (0.70mm)", Image=//media.digikey.com/Renders/Panasonic%20Renders/ERJ-1206%20Pkg.jpg, Minimum Quantity=1, Number of Terminations=2, Packaging="Cut Tape (CT)", Part Number=ERJ-8ENF60R4V, Part Status=Active, Quantity Available=94102, Series=ERJ, Size / Dimension="0.126\" L x 0.063\" W (3.20mm x 1.60mm)", Unit Price (USD)=0.00933
R67: library part ERJ-8ENF4642V, "RES SMD 46.4K OHM 1% 1/4W 1206", Digi-Key Part Number=P46.4KFCT-ND, Manufacturer="Panasonic Electronic Components", Operating Temperature="-55°C ~ 155°C", Package / Case="1206 (3216 Metric)", Power (Watts)="0.25W, 1/4W", Supplier Device Package=1206, Temperature Coefficient=±100ppm/°C, Tolerance=±1%, @ qty=1500, Composition="Thick Film", Datasheets=http://industrial.panasonic.com/www-cgi/jvcr13pz.cgi?E+PZ+3+AOA0002+ERJ8ENF4642V+7+WW, Factory Stock=0, Failure Rate=-, Features="Automotive AEC-Q200", Height - Seated (Max)="0.028\" (0.70mm)", Image=//media.digikey.com/Renders/Panasonic%20Renders/ERJ-1206%20Pkg.jpg, Minimum Quantity=1, Number of Terminations=2, Packaging="Cut Tape (CT)", Part Number=ERJ-8ENF4642V, Part Status=Active, Quantity Available=23527, Series=ERJ, Size / Dimension="0.126\" L x 0.063\" W (3.20mm x 1.60mm)", Unit Price (USD)=0.00933